# Altium PCB pcb_cubesat_2_layers.PcbDoc
Units mm, origin at the board's own origin, x right, y up, seen from the top; angles counter-clockwise.
Board outline 88.9 x 91.9 mm, 3 copper layers (Top Layer, Internal Plane 1, Bottom Layer), stack 1.925 mm thick; 26 components, 18 nets, 134 pads, 156 vias.
Unrouted connection lines stored in the file: 18.
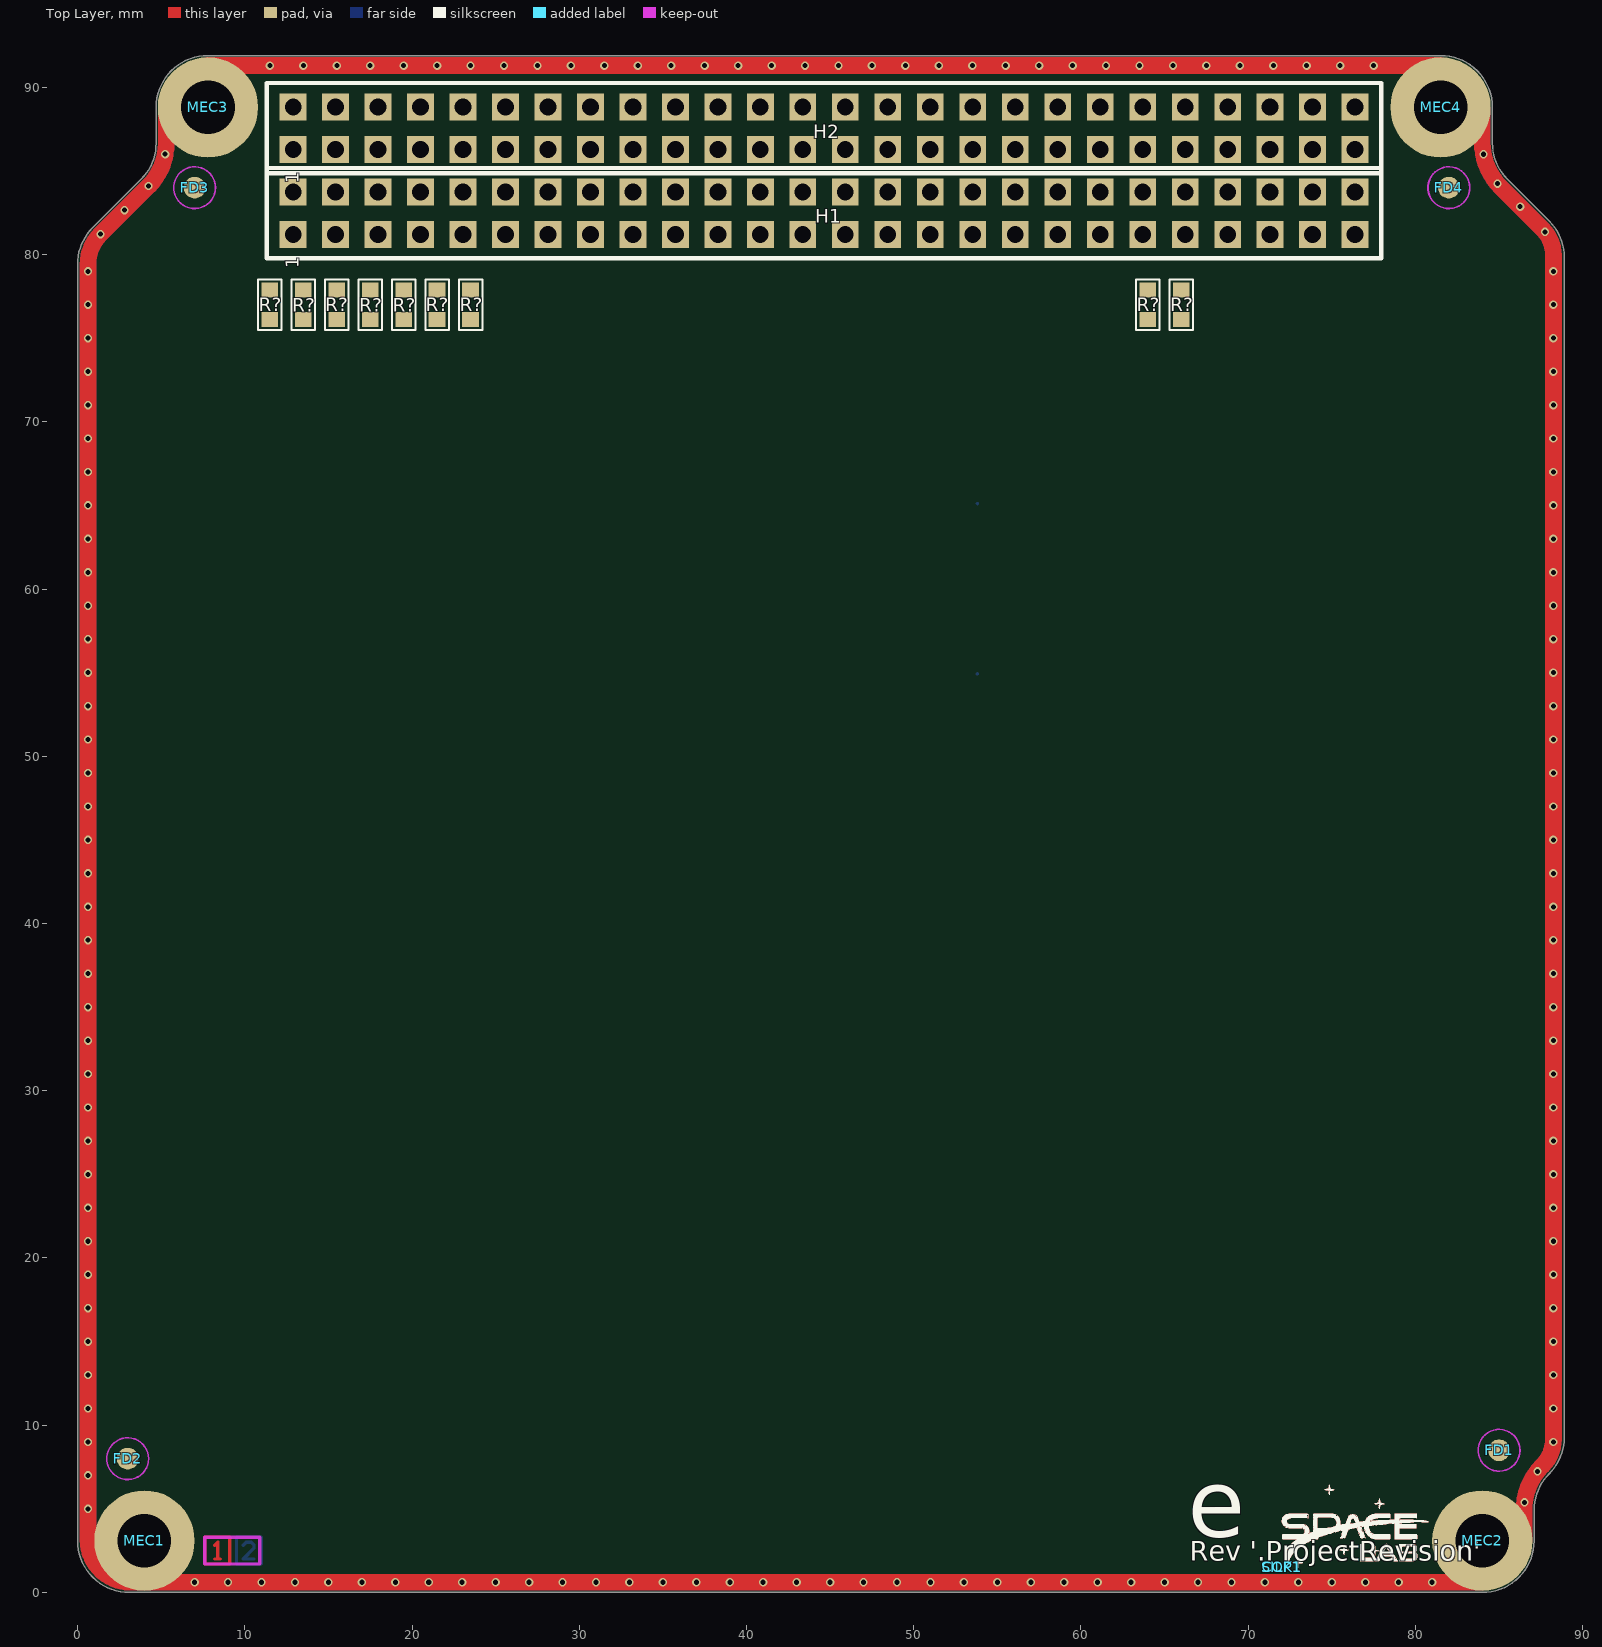
[diagram p0: Top Layer view]
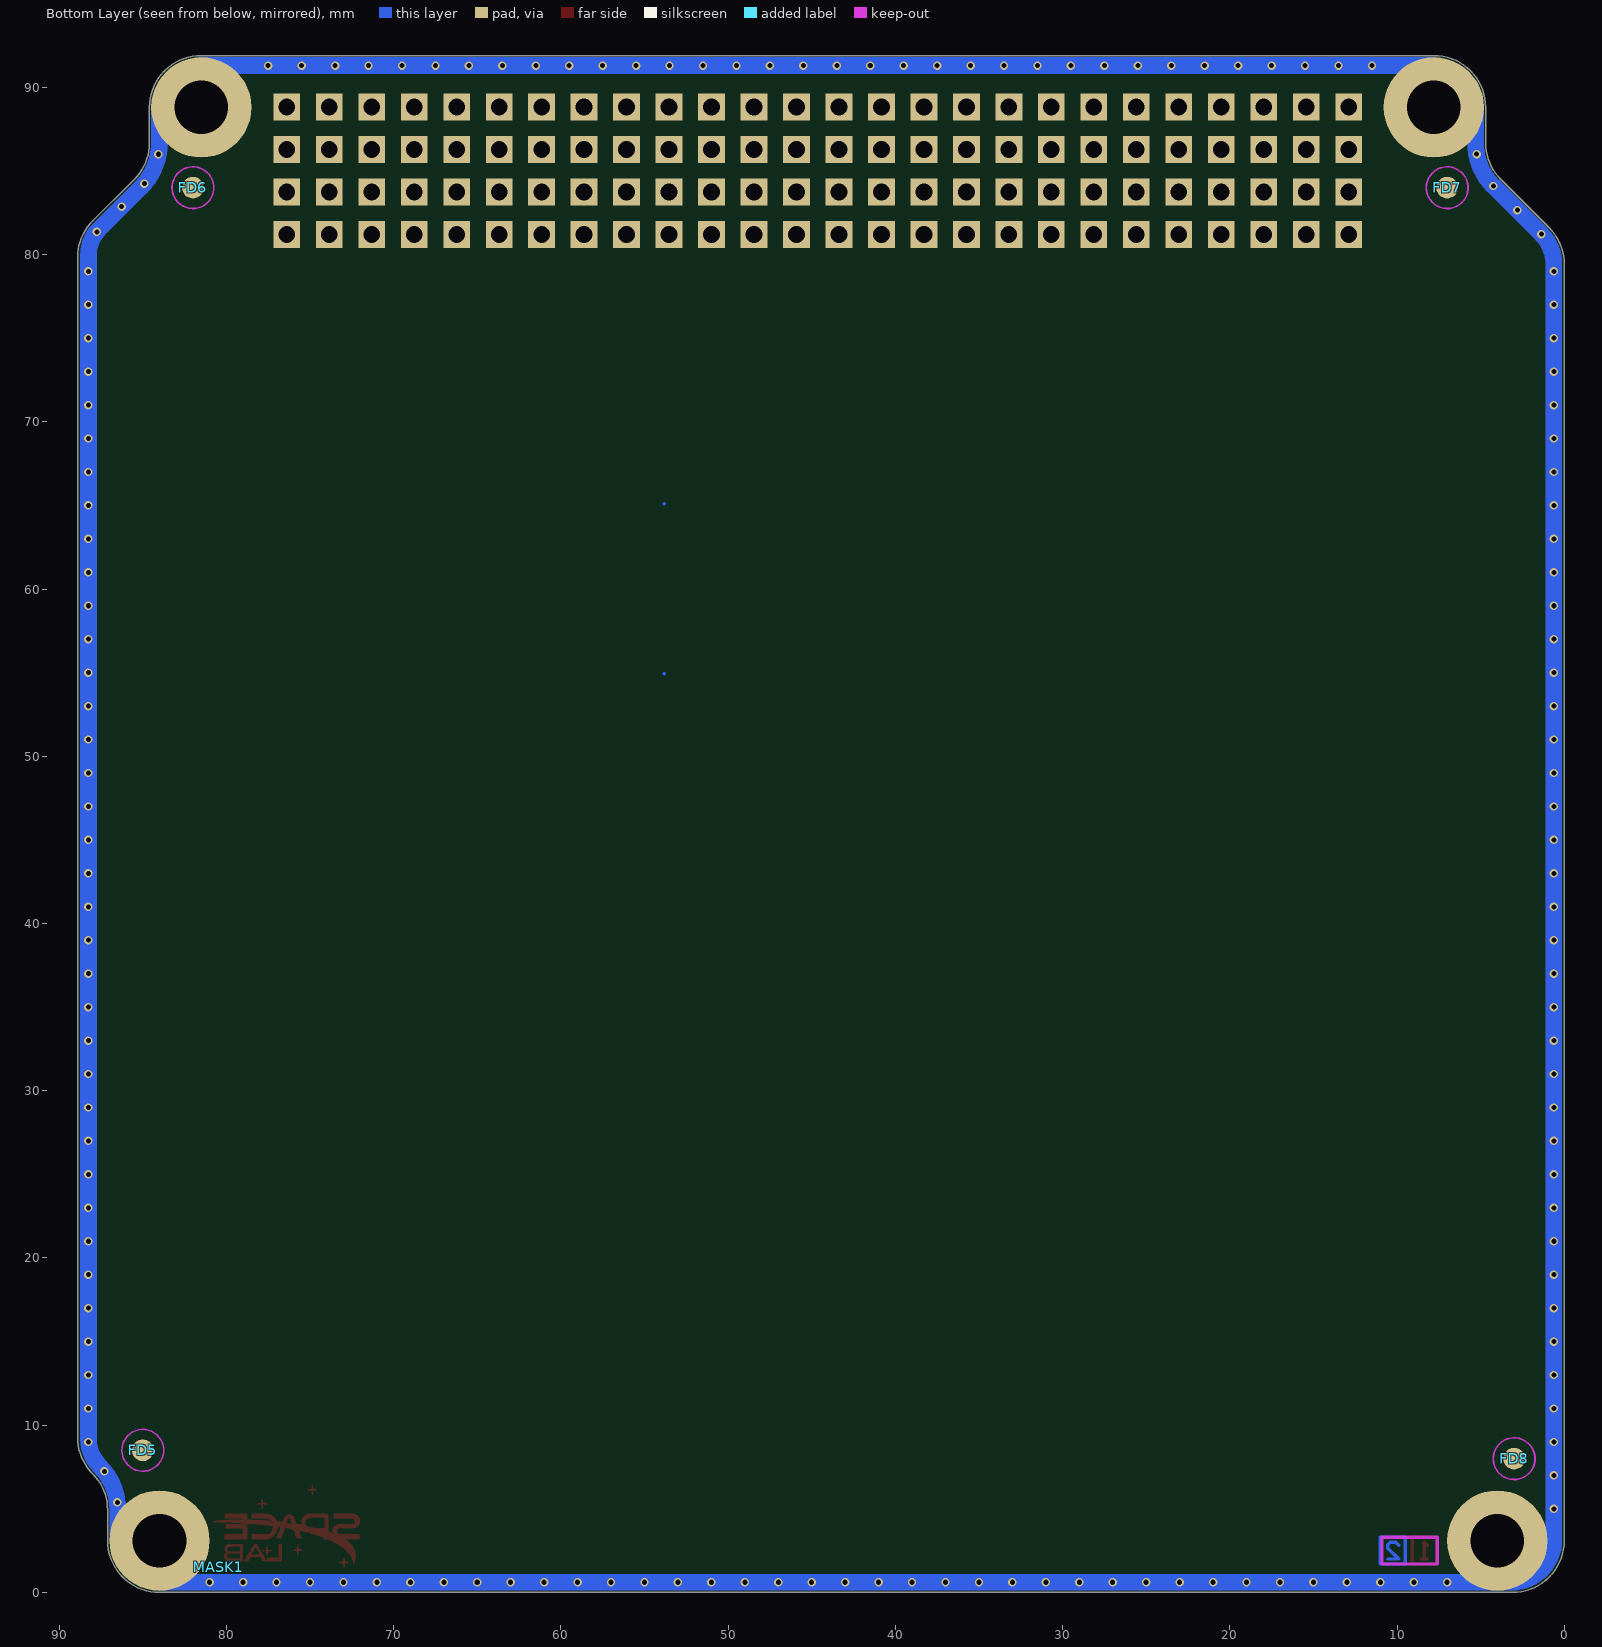
[diagram p1: Bottom Layer view, seen from below]
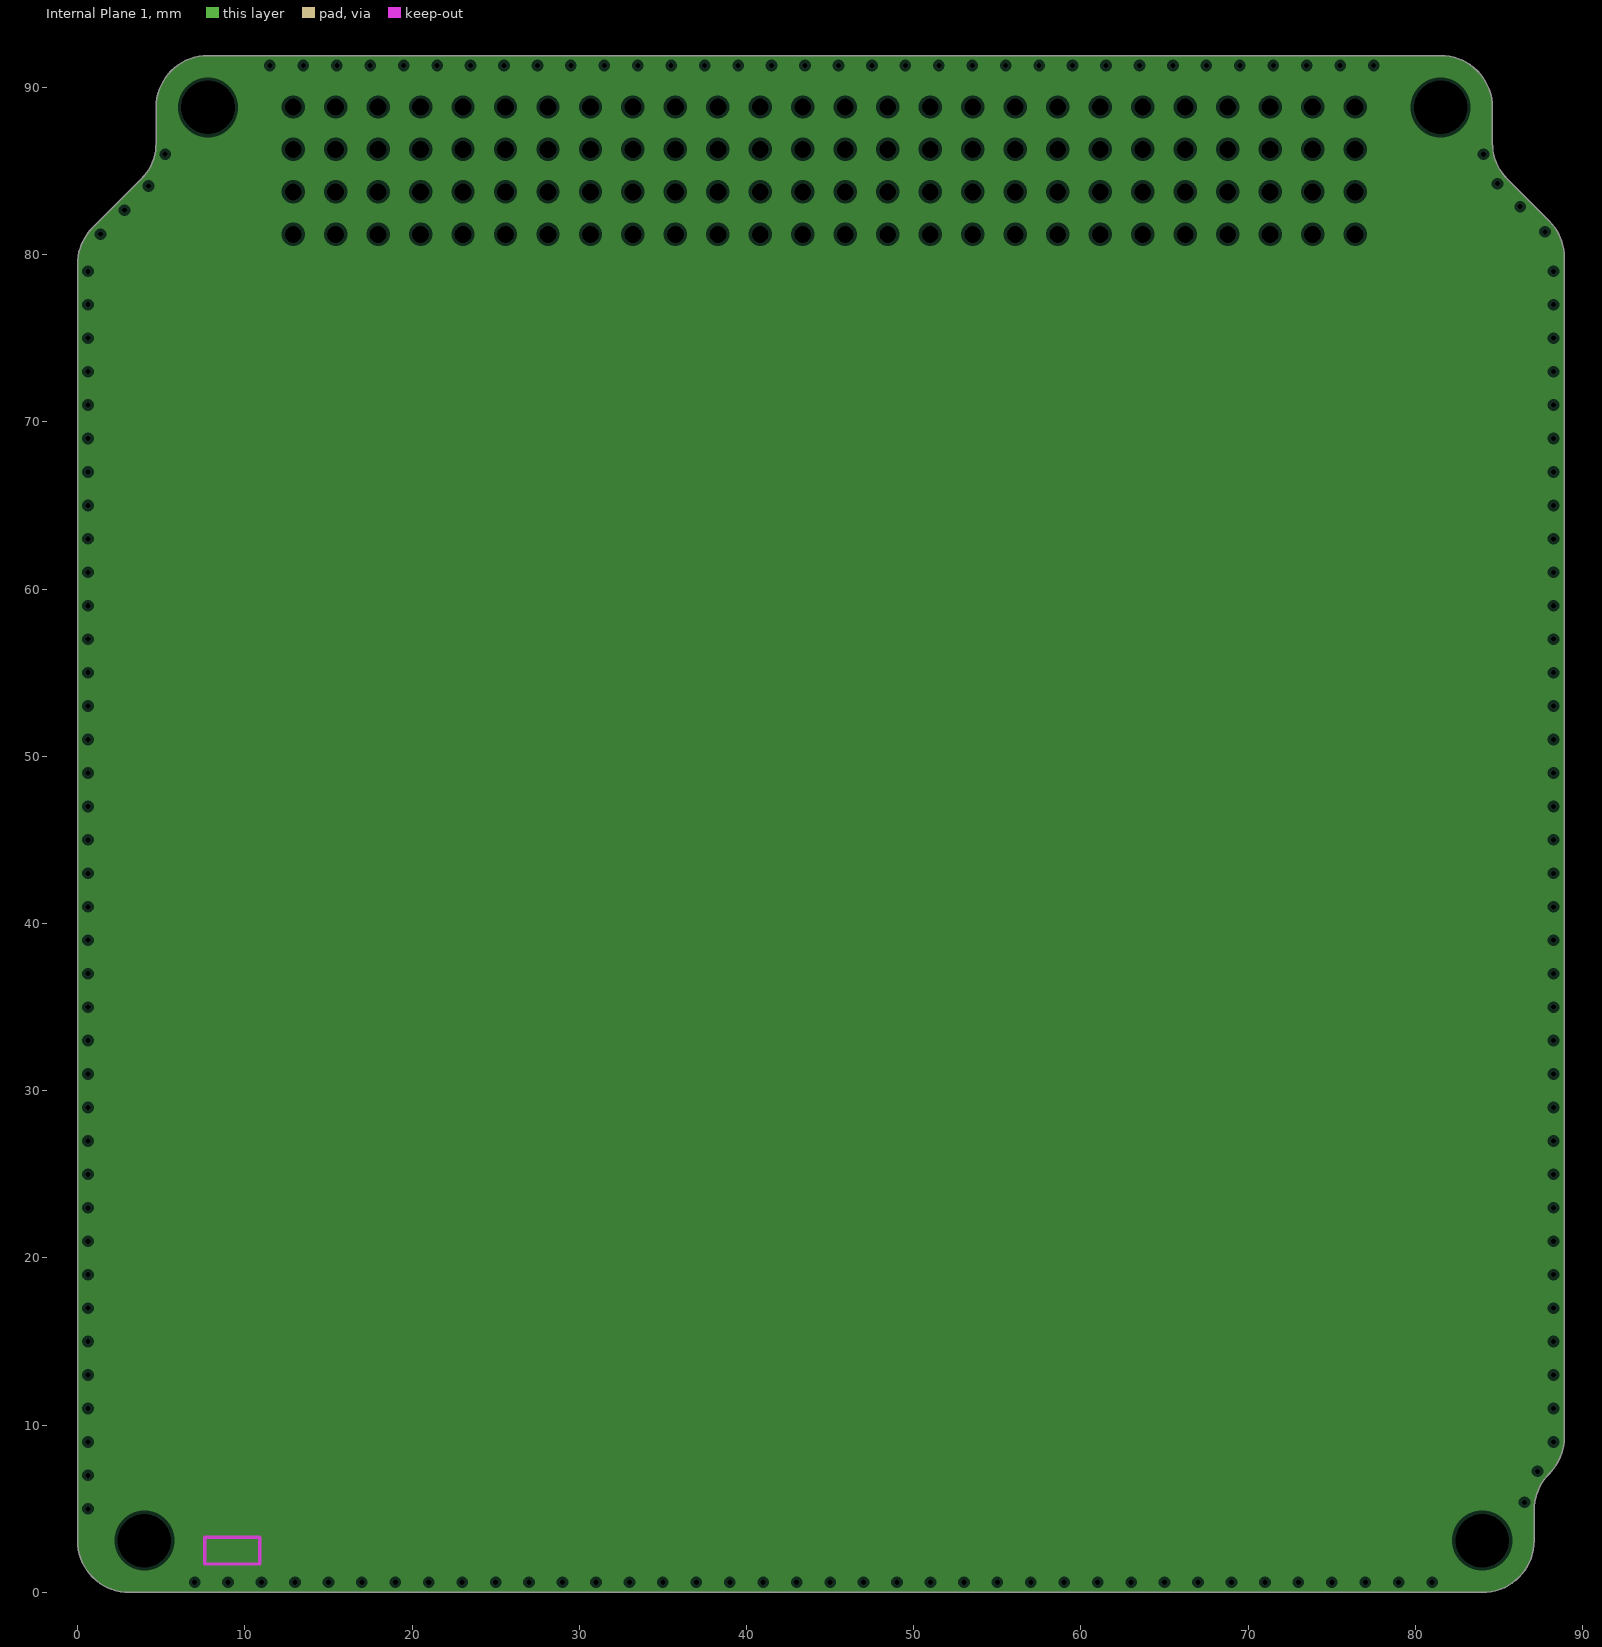
[diagram p2: Internal Plane 1, clearances drawn from the general rule]

## Layer stack, top to bottom
Top Solder: solder mask 0.013, Solder Resist, Dk 3.3
Top Layer: signal copper 0.035
Dielectric 1: core 1.5, FR-4, Dk 4.2
Internal Plane 1: plane copper 0.035
Dielectric2: dielectric 0.32, FR-4, Dk 4.8
Bottom Layer: signal copper 0.035
Bottom Solder: solder mask 0.013, Solder Resist, Dk 3.3

## Board outline
0,3.098 0,79.43 cw(c3.066,79.43) 0.898,81.598 3.802,84.502 ccw(c1.634,86.67) 4.7,86.67 4.7,88.8 cw(c7.8,88.8) 7.797,91.9 81.5,91.9 cw(c81.5,88.8) 84.6,88.803 84.6,86.673 ccw(c87.666,86.673) 85.498,84.505 88.002,82.001 cw(c85.834,79.833) 88.9,79.833 88.9,9.27 cw(c85.834,9.27) 88.002,7.102 87.998,7.098 ccw(c90.166,4.93) 87.1,4.93 87.1,3.1 cw(c84,3.1) 84.003,0 3.1,0 cw(c3.1,3.1)

## Design rules (kind name [scope] priority, off if disabled: settings)
BoardOutlineClearance BoardOutlineClearance_layers [WithinRoom('layers_room')] p1: gap=0 ignorepadtopadclearanceinfootprint=FALSE
BoardOutlineClearance BoardOutlineClearance_EARTH [InNet('EARTH')] p2: gap=0.1 ignorepadtopadclearanceinfootprint=FALSE
BoardOutlineClearance [All] p3: gap=0.5 ignorepadtopadclearanceinfootprint=FALSE
Clearance [All] p1: gap=0.2 ignorepadtopadclearanceinfootprint=TRUE
DiffPairsRouting Diff_100ohmDiffPairsRouting [InDifferentialPairClass('Diff_100ohm')] p1: maxlimit=0.2 minlimit=0.2 mostfreqgap=0.2 toplayer_minwidth=0.16 toplayer_maxwidth=0.16 toplayer_prefwidth=0.16 bottomlayer_minwidth=0.16 bottomlayer_maxwidth=0.16 bottomlayer_prefwidth=0.16 maxuncoupledlength=12.7
DiffPairsRouting Diff_90ohmDiffPairsRouting [InDifferentialPairClass('Diff_90ohm')] p2: maxlimit=0.2 minlimit=0.2 mostfreqgap=0.2 toplayer_minwidth=0.2 toplayer_maxwidth=0.2 toplayer_prefwidth=0.2 bottomlayer_minwidth=0.2 bottomlayer_maxwidth=0.2 bottomlayer_prefwidth=0.2 maxuncoupledlength=5
DiffPairsRouting [All] p3: maxlimit=0.2 minlimit=0.2 mostfreqgap=0.2 toplayer_minwidth=0.16 toplayer_maxwidth=0.3 toplayer_prefwidth=0.2 bottomlayer_minwidth=0.16 bottomlayer_maxwidth=0.3 bottomlayer_prefwidth=0.2 maxuncoupledlength=12.7
HoleSize [All] p1: absolutevalues=TRUE maxlimit=6 minlimit=0.2 maxpercent=80.000 minpercent=20.000
HoleToHoleClearance [All] p1: gap=0.25 allowstackedmicrovias=TRUE
MatchedLengths ETH_iterpair_skew [InNetClass('ETH')] p1: tolerance=1.2 checknetsindiffpair=FALSE checkdiffpairvsdiffpair=TRUE checkxsignals=TRUE checkothers=TRUE
MatchedLengths GETH_interpair_skew [InNetClass('GETH')] p2: tolerance=15.2 checknetsindiffpair=FALSE checkdiffpairvsdiffpair=TRUE checkxsignals=TRUE checkothers=TRUE
MatchedLengths Diff_100ohm_intrapair_skew [InDifferentialPairClass('Diff_100ohm')] p3: tolerance=1.2 checknetsindiffpair=TRUE checkdiffpairvsdiffpair=FALSE checkxsignals=FALSE checkothers=FALSE
MatchedLengths Diff_90ohm_intrapair_skew [InDifferentialPairClass('Diff_90ohm')] p4: tolerance=1.2 checknetsindiffpair=TRUE checkdiffpairvsdiffpair=FALSE checkxsignals=FALSE checkothers=FALSE
MinimumSolderMaskSliver [All] p1: minsoldermaskwidth=0.01
PlaneClearance [All] p1: clearance=0.2
PlaneConnect [All] p1: pad.planeconnectstyle=Relief pad.reliefexpansion=0.2 pad.reliefentries=4 pad.reliefconductorwidth=0.2 pad.reliefairgap=0.2 via.planeconnectstyle=Direct via.reliefexpansion=0.2 via.reliefentries=4 via.reliefconductorwidth=0.2 via.reliefairgap=0.2
PolygonConnect [All] p1: thpad.connectstyle=Relief thpad.reliefconductorwidth=0.2 thpad.reliefentries=4 thpad.polygonreliefangle="90 Angle" thpad.airgapwidth=0.2 smdpad.connectstyle=Relief smdpad.reliefconductorwidth=0.2 smdpad.reliefentries=4 smdpad.polygonreliefangle="90 Angle" smdpad.airgapwidth=0.2 via.connectstyle=Direct via.reliefconductorwidth=0.2 via.reliefentries=4 via.polygonreliefangle="90 Angle" via.airgapwidth=0.2
RoomDefinition layers_room [All] p1: confinementstyle=ConfineOut formatcopy=TRUE lockcomponents=FALSE outline 172.42,-29.58 192.22,-29.58 192.22,-33.48 172.42,-33.48
RoutingVias [All] p1: holewidth=0.3 width=0.5 viastyle="Through Hole" minholewidth=0.2 minwidth=0.4 maxholewidth=1 maxwidth=1.6
SilkToSilkClearance [All] p1: silktosilkclearance=0.08
SilkToSolderMaskClearance [IsPad] p1: minsilkscreentomaskgap=0.06 clearancetoexposedcopper=TRUE
SolderMaskExpansion [All] p1: expansion=0.1
Width [All] p1: maxlimit=6 minlimit=0.16 preferedwidth=0.2
22 further rules are at their usual default settings.

## Classes and differential pairs
differential pair class Diff_100ohm: ETH_CONRX ETH_CONTX ETH_RJRX ETH_RJTX ETH_RX ETH_TX TXRX_A TXRX_B TXRX_C TXRX_D
differential pair class Diff_90ohm: USB0_D USB1_OTG_D

## Components (designator, comment, footprint, x,y, rotation, side; value= is the part's Value field where it differs from the comment)
COP1 "SpaceLab logo copper" "SpaceLab logo copper" 72,1.5 r0 top
FD1 "Fiducial 1.3" "Fiducial 1.3mm" 85,8.5 r0 top
FD2 "Fiducial 1.3" "Fiducial 1.3mm" 3,8 r270 top
FD3 "Fiducial 1.3" "Fiducial 1.3mm" 7,84 r270 top
FD4 "Fiducial 1.3" "Fiducial 1.3mm" 82,84 r0 top
FD5 "Fiducial 1.3" "Fiducial 1.3mm" 85,8.5 r180 bottom
FD6 "Fiducial 1.3" "Fiducial 1.3mm" 82,84 r180 bottom
FD7 "Fiducial 1.3" "Fiducial 1.3mm" 7,84 r270 bottom
FD8 "Fiducial 1.3" "Fiducial 1.3mm" 3,8 r180 bottom
H1 "SSQ-126-03-G-D" "HEADER 2X26 2.54mm 180 GRAUS 8.5mm length 10mm contacts length" 44.64,82.475 r0 top
H2 "SSQ-126-03-G-D" "HEADER 2X26 2.54mm 180 GRAUS 8.5mm length 10mm contacts length" 44.64,87.555 r0 top
MASK1 "SpaceLab logo mask" "SpaceLab logo mask" 80.5,1.5 r180 bottom
MEC1 "M3" "M3 hole" 4,3.1 r0 top
MEC2 "M3" "M3 hole" 84,3.1 r0 top
MEC3 "M3" "M3 hole" 7.8,88.8 r0 top
MEC4 "M3" "M3 hole" 81.5,88.8 r0 top
R? "ERJ-3GEY0R00V" R0603_MD 19.5,77 r270 top value=0R
R? "ERJ-3GEY0R00V" R0603_MD 23.5,77 r270 top value=0R
R? "ERJ-3GEY0R00V" R0603_MD 13.5,77 r90 top value=0R
R? "ERJ-3GEY0R00V" R0603_MD 15.5,77 r270 top value=0R
R? "ERJ-3GEY0R00V" R0603_MD 21.5,77 r270 top value=0R
R? "ERJ-3GEY0R00V" R0603_MD 17.5,77 r270 top value=0R
R? "ERJ-3GEY0R00V" R0603_MD 64,77 r90 top value=0R
R? "ERJ-3GEY0R00V" R0603_MD 66,77 r90 top value=0R
R? "ERJ-3GEY0R00V" R0603_MD 11.5,77 r90 top value=0R
SILK1 "SpaceLab logo silk" "SpaceLab logo silk" 72,1.5 r0 top

## Footprints (in the part's own frame and the unit in brackets; to place one, negate y for a bottom-side part, rotate by r counter-clockwise, add the part's x,y. Pads: shape width x height; smd on the part's side, far side on the other; paste and mask are expansions set on the pad)
"Fiducial 1.3mm" [mm]
  round 1.3 smd mask+0.6: FD0(0,0)
  Top Layer keep-out circle w0.1: c0,0 r1.25
"HEADER 2X26 2.54mm 180 GRAUS 8.5mm length 10mm contacts length" [mm] "HEADER 5 2.54mm 180 GRAUS"
  rect 1.6x1.6 hole 1: 1(-31.75,-1.27) 2(-31.75,1.27) 3(-29.21,-1.27) 4(-29.21,1.27) 5(-26.67,-1.27) 6(-26.67,1.27) 7(-24.13,-1.27) 8(-24.13,1.27) 9(-21.59,-1.27) 10(-21.59,1.27) 11(-19.05,-1.27) 12(-19.05,1.27) 13(-16.51,-1.27) 14(-16.51,1.27) 15(-13.97,-1.27) 16(-13.97,1.27) 17(-11.43,-1.27) 18(-11.43,1.27) 19(-8.89,-1.27) 20(-8.89,1.27) 21(-6.35,-1.27) 22(-6.35,1.27) 23(-3.81,-1.27) 24(-3.81,1.27) 25(-1.27,-1.27) 26(-1.27,1.27) 27(1.27,-1.27) 28(1.27,1.27) 29(3.81,-1.27) 30(3.81,1.27) 31(6.35,-1.27) 32(6.35,1.27) 33(8.89,-1.27) 34(8.89,1.27) 35(11.43,-1.27) 36(11.43,1.27) 37(13.97,-1.27) 38(13.97,1.27) 39(16.51,-1.27) 40(16.51,1.27) 41(19.05,-1.27) 42(19.05,1.27) 43(21.59,-1.27) 44(21.59,1.27) 45(24.13,-1.27) 46(24.13,1.27) 47(26.67,-1.27) 48(26.67,1.27) 49(29.21,-1.27) 50(29.21,1.27) 51(31.75,-1.27) 52(31.75,1.27)
  silkscreen extent -33.32,-2.7 33.32,2.7, body extent -33.27,-2.48 33.27,2.48, height 8.51
"M3 hole" [mm]
  round 6 hole 3.2: 0(0,0)
R0603_MD [mm] "Chip Resistor, Body 1.6x0.8mm, IPC Medium Density"
  rect 0.9x1 smd: 1(-0.889,0) 2(0.889,0)
  silkscreen extent -1.5,-0.7 1.5,0.7, body extent -0.8,-0.4 0.8,0.4, height 0.37
"SpaceLab logo copper" [mm]
  Top Layer region: 10038 vertices and 67 holes, not listed, extent 0.017,0.207 8.756,3.209
  Top Layer region: 730 vertices and 10 holes, not listed, extent 5.611,0.362 6.929,1.403
  Top Layer region: 963 vertices and 10 holes, not listed, extent 7.028,0.362 8.114,1.392
  Top Layer region: 419 vertices and 4 holes, not listed, extent 5.555,3.53 6.142,4.095
  Top Layer region: 873 vertices and 1 holes, not listed, extent 4.691,0.362 5.555,1.392
  Top Layer region: 399 vertices and 4 holes, not listed, extent 5.289,0.716 5.854,1.281
  Top Layer region: 417 vertices and 6 holes, not listed, extent 2.587,4.349 3.141,4.914
  Top Layer region: 381 vertices and 3 holes, not listed, extent 3.451,0.761 4.016,1.326
  Top Layer region: 451 vertices and 6 holes, not listed, extent 0.704,-0.015 1.246,0.561
  Top Layer region: 0.981,0.561 0.992,0.561 0.992,0.55 1.003,0.55 1.003,0.539 0.992,0.539 0.992,0.55 0.981,0.55 0.981,0.561 0.97,0.561 0.97,0.572 0.981,0.572
  Top Layer region: 5.843,3.519 5.854,3.519 5.854,3.508 5.843,3.508 5.843,3.519 5.832,3.519 5.832,3.53 5.843,3.53
  Top Layer region: 5.278,1.004 5.289,1.004 5.289,0.993 5.3,0.993 5.3,0.982 5.289,0.982 5.289,0.993 5.278,0.993 5.278,1.004 5.267,1.004 5.267,1.015 5.278,1.015
  Top Layer region: 5.566,0.716 5.577,0.716 5.577,0.705 5.588,0.705 5.588,0.694 5.577,0.694 5.577,0.705 5.566,0.705 5.566,0.716 5.555,0.716 5.555,0.727 5.566,0.727
  Top Layer region: 5.611,0.384 5.622,0.384 5.622,0.373 5.611,0.373 5.611,0.384 5.599,0.384 5.599,0.395 5.611,0.395
  Top Layer region: 2.864,4.925 2.875,4.925 2.875,4.914 2.886,4.914 2.886,4.903 2.875,4.903 2.875,4.914 2.864,4.914 2.864,4.925 2.853,4.925 2.853,4.936 2.864,4.936
  Top Layer region: 1.246,0.295 1.258,0.295 1.258,0.284 1.269,0.284 1.269,0.273 1.258,0.273 1.258,0.284 1.246,0.284 1.246,0.295 1.235,0.295 1.235,0.307 1.246,0.307
  Top Layer region: 0.693,0.295 0.704,0.295 0.704,0.284 0.715,0.284 0.715,0.273 0.704,0.273 0.704,0.284 0.693,0.284 0.693,0.295 0.682,0.295 0.682,0.307 0.693,0.307
  Top Layer region: 0.671,0.295 0.682,0.295 0.682,0.284 0.693,0.284 0.693,0.273 0.682,0.273 0.682,0.284 0.671,0.284 0.671,0.295 0.659,0.295 0.659,0.307 0.671,0.307
"SpaceLab logo mask" [mm]
"SpaceLab logo silk" [mm]
  silkscreen extent 0.02,-0.01 8.76,4.94

## Part data
COP1: "SpaceLab logo on copper layer"
FD1 FD2 FD3 FD4 FD5 FD6 FD7 FD8: "Fiducial 1.3mm"
H1 H2: "CONN RCPT 52POS 0.1 GOLD PCB", Manufacturer="Samtec Inc.", Mount Type=PTH, N of Positions=52, Pitch=2.54mm
MASK1: "SpaceLab logo on solder mask layer"
MEC1 MEC2 MEC3 MEC4: library part "M3 hole", "M3 hole"
R? R? R? R? R? R? R? R? R?: "RES 0.0 OHM 1/10W JUMP 0603 SMD", Manufacturer=Panasonic, Power=1/10W, Supplier Part Number 1=1652716, Tolerance=1%, Mount Type=SMD, Supplier 1=Farnell, Supplier 2=Digi-Key, Supplier 3=Allied, Supplier 4=Newark, Supplier 5=Mouser, Supplier Part Number 2=P0.0GCT-ND, Supplier Part Number 3=70300175, Supplier Part Number 4=65T8702, Supplier Part Number 5=667-ERJ-3GEY0R00V
SILK1: "SpaceLab logo on silk screen layer"

## Via types
v1: diameter 0.5, hole 0.3, Top Layer to Bottom Layer, tented both sides, 156 vias

## Nets (pads, with @x,y where several pads share a name; then routed paths per layer and width w, separated by ;. In a path a pad name is that pad's centre, name@x,y a point inside that pad or via, vN(x,y) a via of type N, cw(c..) or ccw(c..) an arc to the next point about the centre after c; other vN are vias at no path point)
5V: H2.25 H2.26
5V_ALT: H1.47 H1.49 H1.51
BOARD_ENABLE: R?.2@15.5,76.111 R?.2@17.5,76.111 R?.2@19.5,76.111 R?.2@21.5,76.111 R?.2@23.5,76.111
CANH: R?.1@13.5,76.111
CANL: R?.1@11.5,76.111
EARTH: MEC1.0 MEC2.0 MEC3.0 MEC4.0 | length 333.4
  Bottom Layer w1: MEC1.0@3.165,0.61 cw(c3.165,3.15) 0.625,3.15 0.625,79.424 cw(c3.165,79.424) v1(1.369,81.22) v1(4.245,84.096) ccw(c1.698,86.644) 5.3,86.644 MEC3.0@5.3,88.725 ; MEC1.0@3.177,0.61 4,0.61 MEC2.0@84,0.61 ; MEC3.0@7.8,91.3 MEC4.0@81.5,91.3 ; MEC4.0@84,88.725 84,86.71 ccw(c87.828,86.71) 85.121,84.004 87.602,81.523 cw(c86.037,79.958) 88.25,79.958 88.25,9.193 cw(c85.913,9.193) 87.566,7.541 ccw(c90.138,4.968) 86.5,4.968 MEC2.0@86.5,3.1
  other v1: 7,0.61 9,0.61 11,0.61 13,0.61 15,0.61 17,0.61 19,0.61 21,0.61 23,0.61 25,0.61 27,0.61 29,0.61 31,0.61 33,0.61 35,0.61 37,0.61 39,0.61 41,0.61 43,0.61 45,0.61 47,0.61 49,0.61 51,0.61 53,0.61 55,0.61 57,0.61 59,0.61 61,0.61 63,0.61 65,0.61 67,0.61 69,0.61 71,0.61 73,0.61 75,0.61 77,0.61 79,0.61 81,0.61 0.625,5 86.525,5.39 0.625,7 87.297,7.241 0.625,9 88.25,9 0.625,11 88.25,11 0.625,13 88.25,13 0.625,15 88.25,15 0.625,17 88.25,17 0.625,19 88.25,19 0.625,21 88.25,21 0.625,23 88.25,23 0.625,25 88.25,25 0.625,27 88.25,27 0.625,29 88.25,29 0.625,31 88.25,31 0.625,33 88.25,33 0.625,35 88.25,35 0.625,37 88.25,37 0.625,39 88.25,39 0.625,41 88.25,41 0.625,43 88.25,43 0.625,45 88.25,45 0.625,47 88.25,47 0.625,49 88.25,49 0.625,51 88.25,51 0.625,53 88.25,53 0.625,55 88.25,55 0.625,57 88.25,57 0.625,59 88.25,59 0.625,61 88.25,61 0.625,63 88.25,63 0.625,65 88.25,65 0.625,67 88.25,67 0.625,69 88.25,69 0.625,71 88.25,71 0.625,73 88.25,73 0.625,75 88.25,75 0.625,77 88.25,77 0.625,79 88.25,79 87.749,81.361 2.807,82.658 86.262,82.863 84.906,84.238 5.241,86 84.067,85.998 11.5,91.3 13.5,91.3 15.5,91.3 17.5,91.3 19.5,91.3 21.5,91.3 23.5,91.3 25.5,91.3 27.5,91.3 29.5,91.3 31.5,91.3 33.5,91.3 35.5,91.3 37.5,91.3 39.5,91.3 41.5,91.3 43.5,91.3 45.5,91.3 47.5,91.3 49.5,91.3 51.5,91.3 53.5,91.3 55.5,91.3 57.5,91.3 59.5,91.3 61.5,91.3 63.5,91.3 65.5,91.3 67.5,91.3 69.5,91.3 71.5,91.3 73.5,91.3 75.5,91.3 77.5,91.3
GND: H2.29 H2.30 H2.32
I2C_SCL: R?.1@66,76.111
I2C_SDA: R?.1@64,76.111
NetH1_1: H1.1 R?.2@11.5,77.889
NetH1_3: H1.3 R?.2@13.5,77.889
NetH1_41: H1.41 R?.2@64,77.889
NetH1_43: H1.43 R?.2@66,77.889
NetH2_2: H2.2 R?.1@15.5,77.889
NetH2_4: H2.4 R?.1@17.5,77.889
NetH2_6: H2.6 R?.1@19.5,77.889
NetH2_8: H2.8 R?.1@21.5,77.889
NetH2_10: H2.10 R?.1@23.5,77.889
pads on no net: FD1.FD0 FD2.FD0 FD3.FD0 FD4.FD0 FD5.FD0 FD6.FD0 FD7.FD0 FD8.FD0 H1.2 H1.4 H1.5 H1.6 H1.7 H1.8 H1.9 H1.10 H1.11 H1.12 H1.13 H1.14 H1.15 H1.16 H1.17 H1.18 H1.19 H1.20 H1.21 H1.22 H1.23 H1.24 H1.25 H1.26 H1.27 H1.28 H1.29 H1.30 H1.31 H1.32 H1.33 H1.34 H1.35 H1.36 H1.37 H1.38 H1.39 H1.40 H1.42 H1.44 H1.45 H1.46 H1.48 H1.50 H1.52 H2.1 H2.3 H2.5 H2.7 H2.9 H2.11 H2.12 H2.13 H2.14 H2.15 H2.16 H2.17 H2.18 H2.19 H2.20 H2.21 H2.22 H2.23 H2.24 H2.27 H2.28 H2.31 H2.33 H2.34 H2.35 H2.36 H2.37 H2.38 H2.39 H2.40 H2.41 H2.42 H2.43 H2.44 H2.45 H2.46 H2.47 H2.48 H2.49 H2.50 H2.51 H2.52
copper on no net: | length 349.9
  Top Layer w0.2: 8.2,2 8.375,2 ; 8.2,2.825 8.375,3 8.375,2 ; 8.55,2 8.375,2 ; 7.6,1.7 7.6,3.3 9.1,3.3 9.1,1.7 7.6,1.7
  Top Layer w1: 3.165,0.61 cw(c3.165,3.15) 0.625,3.15 0.625,79.424 cw(c3.165,79.424) 1.369,81.22 4.245,84.096 ccw(c1.698,86.644) 5.3,86.644 5.3,88.725 ; 3.178,0.61 4,0.61 84,0.61 ; 7.8,91.3 81.5,91.3 ; 84,88.725 84,86.71 ccw(c87.828,86.71) 85.121,84.004 87.602,81.523 cw(c86.037,79.958) 88.25,79.958 88.25,9.193 cw(c85.913,9.193) 87.566,7.541 ccw(c90.138,4.968) 86.5,4.968 86.5,3.1
  Bottom Layer w0.2: 9.9,2.825 10.075,3 10.4,3 10.55,2.85 10.55,2.65 9.9,2 10.55,2 ; 53.8,54.924 53.816,54.94 ; 53.8,65.116 53.816,65.1 ; 9.5,1.7 9.5,3.3 11,3.3 11,1.7 9.5,1.7

## Polygon pours and split planes (outlines as drawn)
no net on Internal Plane 1 (split plane): 82.106,91.847 82.498,91.742 82.873,91.587 83.225,91.384 83.548,91.137 83.835,90.85 84.082,90.527 84.286,90.176 84.441,89.801 84.547,89.408 84.6,89.006 84.6,88.803 84.6,86.673 84.604,86.523 84.633,86.223 84.692,85.928 84.779,85.64 84.895,85.362 85.036,85.097 85.204,84.847 85.394,84.614 85.498,84.505 88.002,82.001 88.108,81.895 88.3,81.662 88.467,81.411 88.609,81.146 88.724,80.867 88.812,80.579 88.87,80.284 88.9,79.984 88.9,79.833 88.9,9.27 88.9,9.119 88.87,8.82 88.812,8.524 88.724,8.236 88.609,7.958 88.467,7.692 88.3,7.441 88.108,7.208 88.002,7.102 87.998,7.098 87.894,6.989 87.704,6.757 87.536,6.506 87.395,6.241 87.279,5.963 87.192,5.675 87.133,5.38 87.104,5.081 87.1,4.93 87.1,3.1 87.1,2.897 87.047,2.494 86.942,2.102 86.787,1.727 86.584,1.375 86.337,1.052 86.05,0.765 85.727,0.518 85.376,0.314 85.001,0.159 84.608,0.053 84.206,0 84.003,0 3.1,0 2.897,0 2.494,0.053 2.102,0.158 1.727,0.313 1.375,0.516 1.053,0.764 0.765,1.051 0.518,1.373 0.315,1.724 0.159,2.1 0.053,2.492 0,2.894 0,3.098 0,79.43 0,79.581 0.03,79.88 0.088,80.176 0.176,80.464 0.291,80.742 0.433,81.008 0.6,81.259 0.792,81.492 0.898,81.598 3.802,84.502 3.906,84.611 4.096,84.843 4.264,85.094 4.405,85.359 4.521,85.637 4.608,85.925 4.667,86.22 4.696,86.519 4.7,86.67 4.7,88.8 4.7,89.003 4.753,89.406 4.858,89.798 5.013,90.173 5.216,90.525 5.463,90.848 5.75,91.135 6.073,91.382 6.424,91.586 6.799,91.741 7.192,91.847 7.594,91.9 7.797,91.9 81.5,91.9 81.703,91.9

## Keep-outs
Keep-Out Layer:
  lines w0.2: 7.6,1.7 7.6,3.3 10.9,3.3 10.9,1.7 7.6,1.7
  text "'.Layer_Name'" at 173.12,-32.53 h2.5

## Other copper
Top Layer:
  text "'.Layer_Name'" at 173.12,-32.53 h2.5
Bottom Layer:
  text "'.Layer_Name'" at 173.12,-32.53 h2.5

## Silkscreen, mask and mechanical layers (free items; w line width, h text height)
Top Overlay:
  text "e" at 66.4,2 h7
  text "Rev '.ProjectRevision'" at 66.5,1.5 h2
  text "'.Layer_Name'" at 173.12,-32.53 h2.5
Bottom Overlay:
  text "'.Layer_Name'" at 173.12,-32.53 h2.5
Top Paste:
  text "'.Layer_Name'" at 173.12,-32.53 h2.5
Bottom Paste:
  text "'.Layer_Name'" at 173.12,-32.53 h2.5
Top Solder:
  rectangle: 7.4,1.5 11.1,3.5
  lines w0.2: 7.4,1.7 ccw(c7.6,1.7) 7.6,1.5 10.9,1.5 ccw(c10.9,1.7) 11.1,1.7 11.1,3.3 ccw(c10.9,3.3) 10.9,3.5 7.6,3.5 ccw(c7.6,3.3) 7.4,3.3 7.4,1.7
  text "'.Layer_Name'" at 173.12,-32.53 h2.5
Bottom Solder:
  rectangle: 7.4,1.5 11.1,3.5
  lines w0.2: 7.4,1.7 ccw(c7.6,1.7) 7.6,1.5 10.9,1.5 ccw(c10.9,1.7) 11.1,1.7 11.1,3.3 ccw(c10.9,3.3) 10.9,3.5 7.6,3.5 ccw(c7.6,3.3) 7.4,3.3 7.4,1.7
  text "'.Layer_Name'" at 173.12,-32.53 h2.5
Drill Guide:
  text "'.Layer_Name'" at 173.12,-32.53 h2.5
Board Edge:
  lines w0.2: 0,3.098 ccw(c3.1,3.1) 3.1,0 84.003,0 ccw(c84,3.1) 87.1,3.1 87.1,4.93 cw(c90.166,4.93) 87.998,7.098 88.002,7.102 ccw(c85.834,9.27) 88.9,9.27 88.9,79.833 ccw(c85.834,79.833) 88.002,82.001 85.498,84.505 cw(c87.666,86.673) 84.6,86.673 84.6,87.373 84.6,88.803 ccw(c81.5,88.8) 81.5,91.9 7.797,91.9 ccw(c7.8,88.8) 4.7,88.8 4.7,86.67 cw(c1.634,86.67) 3.802,84.502 0.898,81.598 ccw(c3.066,79.43) 0,79.43 0,3.098
Dimension:
  lines w0.2: 0,3.2 0,0 4,0
  text "'.Layer_Name'" at 173.12,-32.53 h2.5
Route Tool:
  text "'.Layer_Name'" at 173.12,-32.53 h2.5
3D Body:
  text "'.Layer_Name'" at 173.12,-32.53 h2.5
Mechanical 8:
  text "'.Layer_Name'" at 173.12,-32.53 h2.5
Component Guard:
  text "'.Layer_Name'" at 173.12,-32.53 h2.5
Sheet:
  drawing of 369 lines, arcs and shapes, not listed
  text "1" at 4.166,140.631 h1.78
  text "2" at 76.81,140.631 h1.78
  text "3" at 149.962,140.631 h1.78
  text "4" at 222.86,140.631 h1.78
  text "Specifications" at 215.606,135.204 h1.52
  text "Material" at 193.381,132.601 h1.52
  text "Process" at 203.16,132.601 h1.52
  text "PCB" at 215.098,132.601 h1.52
  text "Silk" at 234.593,132.601 h1.52
  text "Mask" at 243.927,132.601 h1.52
  text "Copper" at 224.881,132.595 h1.52
  text "CEM" at 194.397,130.188 h1.52
  text "H.A.L." at 204.176,130.188 h1.52
  text "1,0mm" at 216.051,130.188 h1.52
  text "17um" at 225.83,130.188 h1.52
  text "LC" at 235.672,130.188 h1.52
  text "LC" at 245.007,130.188 h1.52
  text "FR-2" at 194.397,128.41 h1.52
  text "LeadFree" at 204.176,128.41 h1.52
  text "35um" at 225.83,128.41 h1.52
  text "LS" at 235.672,128.41 h1.52
  text "LS" at 245.007,128.41 h1.52
  text "1,6mm" at 216.089,128.392 h1.52
  text "FR-4" at 194.397,126.632 h1.52
  text "Flash G." at 204.176,126.632 h1.52
  text "70um" at 225.83,126.632 h1.52
  text "LC/LS" at 235.672,126.632 h1.52
  text "LC/LS" at 245.007,126.632 h1.52
  text "2,4mm" at 216.089,126.487 h1.52
  text "Spec." at 194.397,124.854 h1.52
  text "Spec." at 204.176,124.854 h1.52
  text "Spec." at 225.83,124.854 h1.52
  text "Spec." at 216.089,124.709 h1.52
  text "Color" at 234.593,124.282 h1.52
  text "Color" at 243.927,124.282 h1.52
  text "ACCORDING STACK UP" at 203.033,122.227 h1.27
  text "Special:" at 193.318,122.199 h1.52
  text "White" at 235.672,122.187 h1.52
  text "Green" at 244.943,122.187 h1.52
  text "Yellow" at 235.672,120.409 h1.52
  text "Blue" at 244.943,120.409 h1.52
  text "Tolerance:" at 193.318,119.71 h1.52
  text "Holes +-0,1mm" at 205.764,119.71 h1.52
  text "Espec." at 235.672,118.631 h1.52
  text "Espec." at 244.943,118.631 h1.52
  text "Mechanical +-0,2mm" at 205.764,117.996 h1.52
  text "A" at -30.175,117.619 h1.78
  text "A" at 256.845,117.619 h1.78
  text "Layer" at 136.953,110.856 h1.52
  text "Name" at 147.365,110.856 h1.52
  text "Material" at 170.98,110.856 h1.52
  text "Thickness" at 192.819,110.856 h1.52
  text "Constant" at 209.324,110.856 h1.52
  text "Board Layer Stack" at 223.799,110.856 h1.52
  text "1" at 136.953,107.808 h1.52
  text "Top Overlay" at 147.365,107.808 h1.52
  text "2" at 136.953,104.76 h1.52
  text "Top Solder" at 147.365,104.76 h1.52
  text "Solder Resist" at 170.98,104.76 h1.52
  text "0,013mm" at 192.819,104.76 h1.52
  text "3,3" at 209.324,104.76 h1.52
  text "3" at 136.953,101.712 h1.52
  text "Top Layer" at 147.365,101.712 h1.52
  text "Copper" at 170.98,101.712 h1.52
  text "0,035mm" at 192.819,101.712 h1.52
  text "4" at 136.953,98.664 h1.52
  text "Dielectric 1" at 147.365,98.664 h1.52
  text "FR-4" at 170.98,98.664 h1.52
  text "1,500mm" at 192.819,98.664 h1.52
  text "4,2" at 209.324,98.664 h1.52
  text "5" at 136.953,95.616 h1.52
  text "Bottom Layer" at 147.365,95.616 h1.52
  text "Copper" at 170.98,95.616 h1.52
  text "0,035mm" at 192.819,95.616 h1.52
  text "6" at 136.953,92.568 h1.52
  text "Bottom Solder" at 147.365,92.568 h1.52
  text "Solder Resist" at 170.98,92.568 h1.52
  text "0,013mm" at 192.819,92.568 h1.52
  text "3,3" at 209.324,92.568 h1.52
  text "7" at 136.953,89.52 h1.52
  text "Bottom Overlay" at 147.365,89.52 h1.52
  text "B" at -30.175,69.562 h1.78
  text "B" at 256.845,69.562 h1.78
  text "C" at -30.175,21.048 h1.78
  text "C" at 256.845,21.048 h1.78
  text "SpaceLab - Federal University of Santa Catarina" at 165.92,-22.98 h2.5
  text "D" at -30.175,-26.958 h1.78
  text "D" at 256.845,-26.958 h1.78
  text "Project:" at 165.92,-27.48 h2.5
  text "*" at 173.92,-27.48 h2.5
  text "Layer:" at 165.92,-32.48 h2.5
  text "Engineer:" at 165.92,-37.48 h2.5
  text "*" at 175.92,-37.48 h2.5
  text "Project Code:" at 223.92,-37.48 h2.5
  text ".ProductCode" at 238.42,-37.48 h2.5
  text "Date:" at 165.92,-42.48 h2.5
  text "'.Print_Date'" at 171.92,-42.48 h2.5
  text "Revision:" at 194.92,-42.48 h2.5
  text "'.ProjectRevision'" at 204.92,-42.48 h2.5
  text "Size:" at 223.92,-42.48 h2.5
  text "A4" at 229.92,-42.48 h2.5
  text "1" at 4.166,-47.329 h1.78
  text "2" at 76.81,-47.329 h1.78
  text "3" at 149.962,-47.329 h1.78
  text "4" at 222.86,-47.329 h1.78
Drill Drawing:
  circle w0.254: c111.488,67.822 r0.847
  lines w0.254: 110.641,63.165 112.335,63.165 112.335,64.858 110.641,64.858 110.641,63.165 ; 110.641,72.478 112.335,72.478 111.488,70.785 110.641,72.478
  lines w0.381: 109.123,62.022 253.762,62.022 ; 109.123,73.452 253.762,73.452 ; 123.115,58.212 123.115,77.262 ; 138.351,58.212 138.351,77.262 ; 168.06,58.212 168.06,77.262 ; 180.909,58.212 180.909,77.262 ; 199.548,58.212 199.548,77.262 ; 237.637,58.212 237.637,77.262 ; 109.123,58.212 253.762,58.212 253.762,77.262 109.123,77.262 109.123,58.212
  text "Symbol" at 111.409,74.595 h1.83
  text "Count" at 124.258,74.595 h1.83
  text "Hole Size" at 139.494,74.595 h1.83
  text "Plated" at 169.203,74.595 h1.83
  text "Hole Type" at 182.052,74.595 h1.83
  text "Drill Layer Pair" at 200.691,74.595 h1.83
  text "Via/Pad" at 238.78,74.595 h1.83
  text "156" at 124.258,70.785 h1.52
  text "0,300mm (11,81mil)" at 139.494,70.785 h1.52
  text "PTH" at 169.203,70.785 h1.52
  text "Round" at 182.052,70.785 h1.52
  text "Top Layer - Bottom Layer" at 200.691,70.785 h1.52
  text "Via" at 238.78,70.785 h1.52
  text "104" at 124.258,66.975 h1.52
  text "1,000mm (39,37mil)" at 139.494,66.975 h1.52
  text "PTH" at 169.203,66.975 h1.52
  text "Round" at 182.052,66.975 h1.52
  text "Top Layer - Bottom Layer" at 200.691,66.975 h1.52
  text "Pad" at 238.78,66.975 h1.52
  text "4" at 124.258,63.165 h1.52
  text "3,200mm (125,98mil)" at 139.494,63.165 h1.52
  text "PTH" at 169.203,63.165 h1.52
  text "Round" at 182.052,63.165 h1.52
  text "Top Layer - Bottom Layer" at 200.691,63.165 h1.52
  text "Pad" at 238.78,63.165 h1.52
  text "264 Total" at 124.258,59.355 h1.52
  text "'.Layer_Name'" at 173.12,-32.53 h2.5
  text "'.Layer_Name'" at 173.12,-32.53 h2.5

## Dimensions
0,3.098 to 12.89,81.205 on Dimension
12.89,81.205 to 12.89,86.285 on Dimension
3.1,0 to 12.89,81.205 on Dimension
3.1,0 to 7.797,91.9 on Dimension
4,3.1 to 3.1,0 on Dimension
7.8,88.8 to 7.797,91.9 on Dimension
4,3.1 to 7.8,88.8 on Dimension
4,3.1 to 7.8,88.8 on Dimension
81.5,88.8 to 88.9,79.833 on Dimension
7.8,88.8 to 81.5,88.8 on Dimension
7.8,88.8 to 0,79.43 on Dimension
84,3.1 to 88.9,9.27 on Dimension
4,3.1 to 84,3.1 on Dimension
0,3.098 to 4,3.1 on Dimension
0,3.098 to 88.9,9.27 on Dimension

## Text inside footprints (layer, text, board x,y; h text height)
H1: Top Overlay "1" at 13.24,79.175 h0.76 r90
H2: Top Overlay "1" at 13.24,84.255 h0.76 r90